# KiCad board heimdall.kicad_pcb
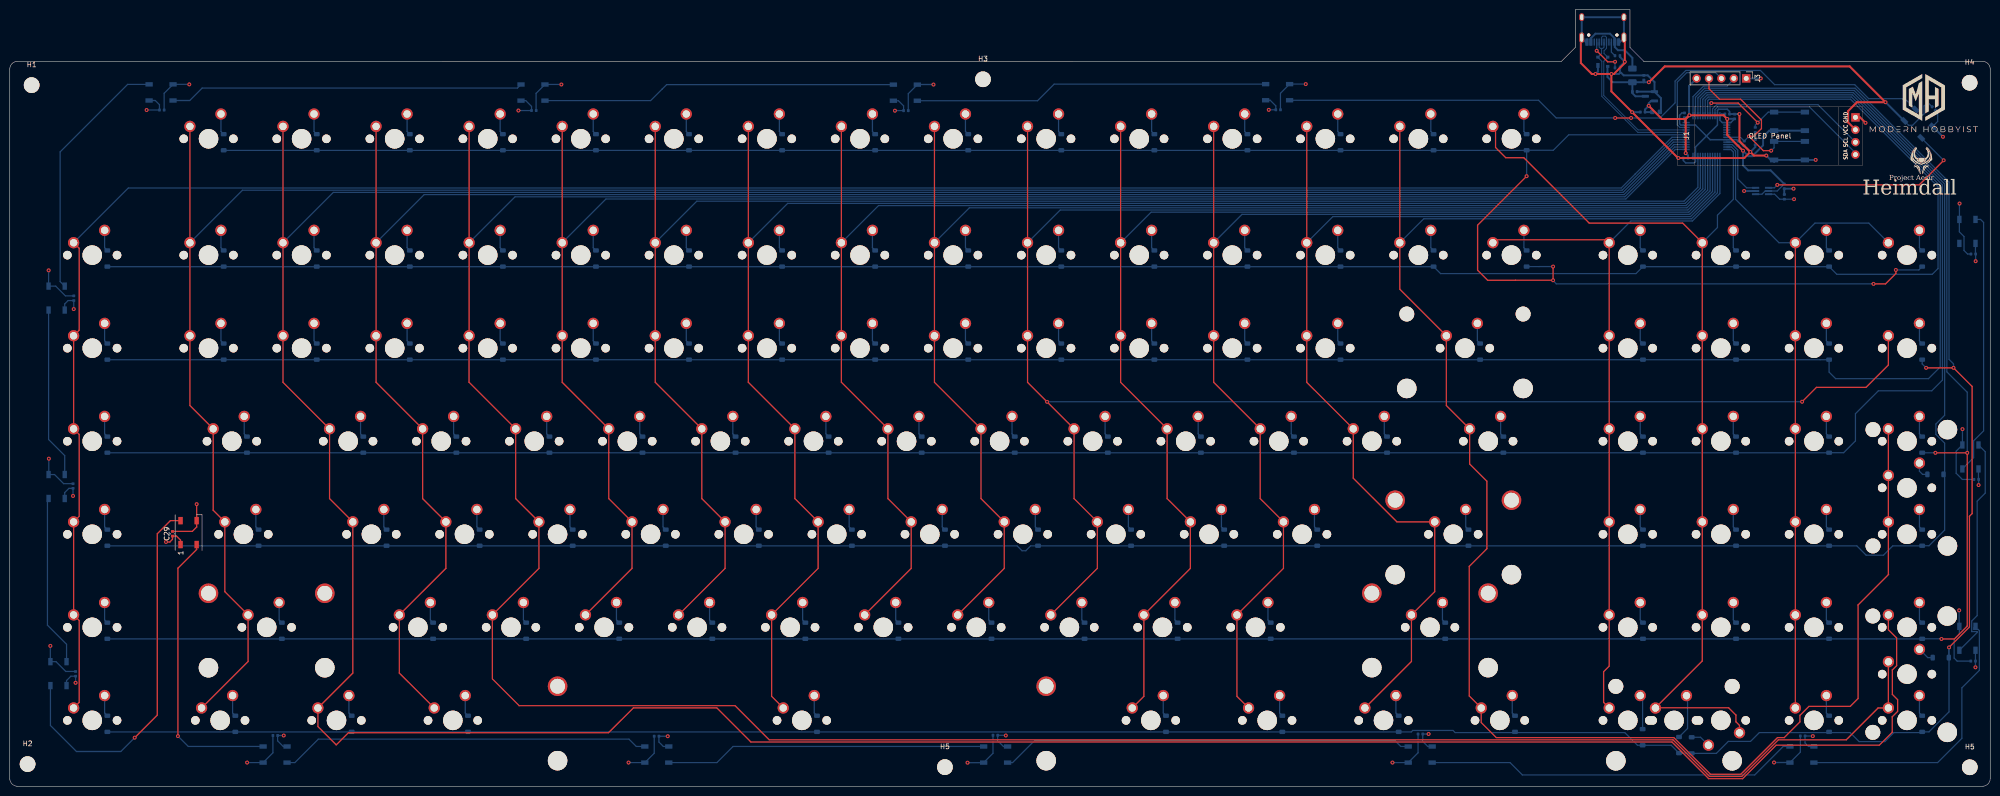
[diagram p0: board, top side]
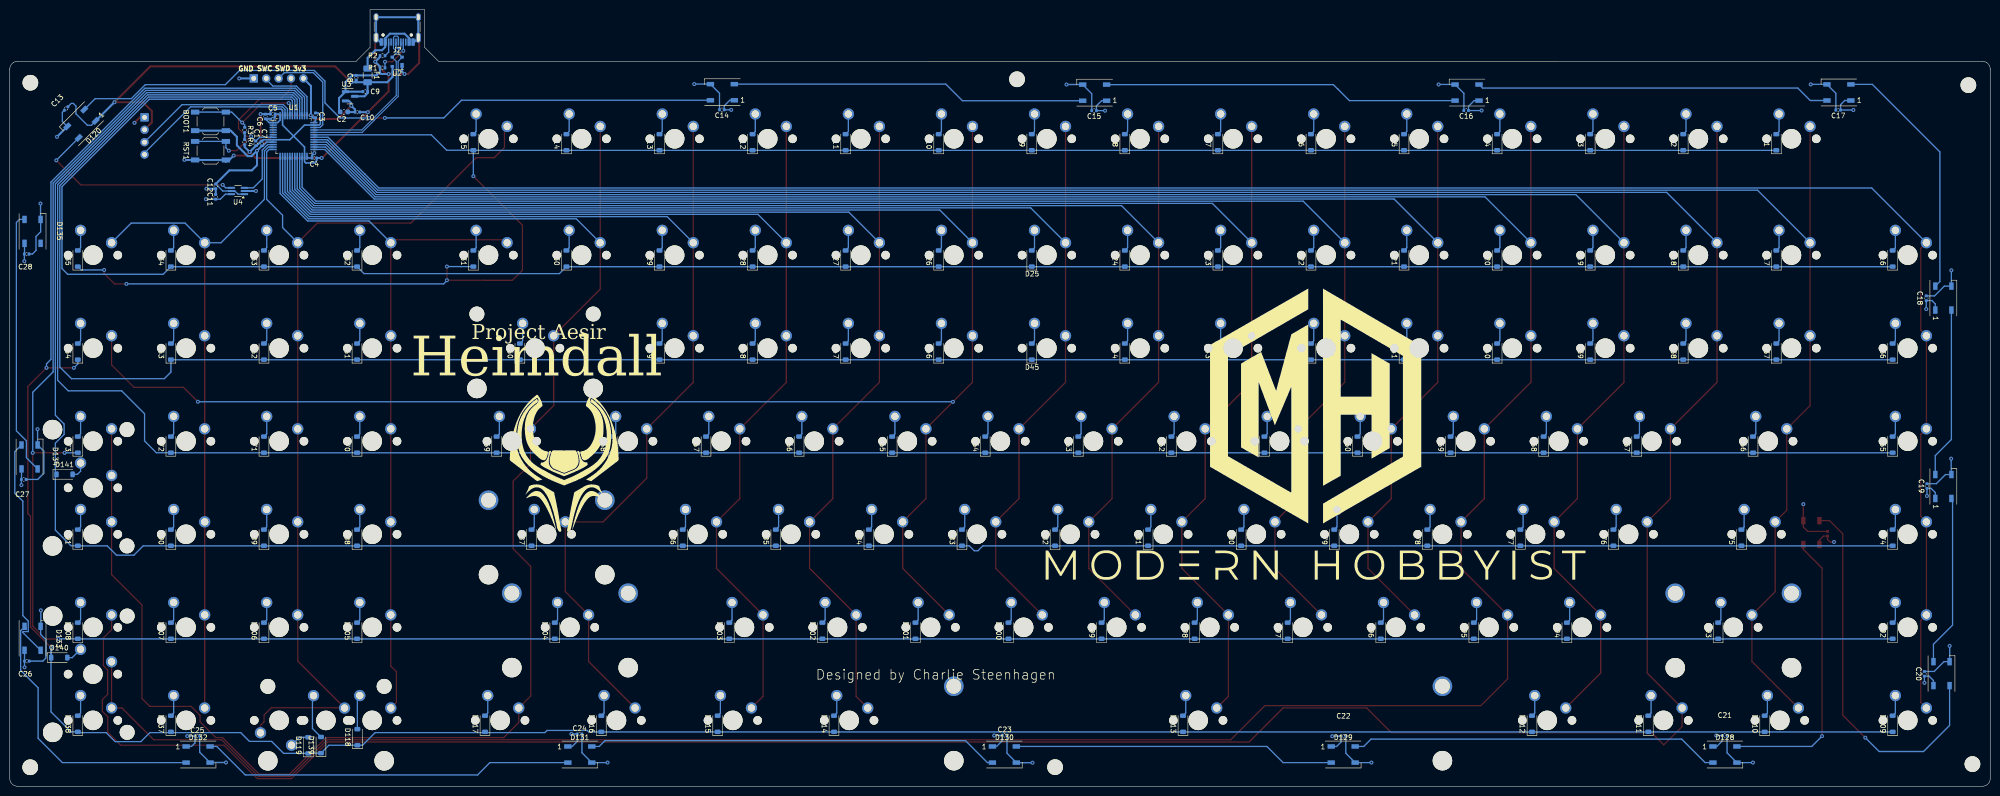
[diagram p1: board, bottom side, seen from below]

Outline 405.38 x 158.96 mm; copper layers: Top, Gnd.Cu, P.Cu, Bottom. Coordinates in mm from the lower left corner of the outline.
Outline path: 0,146.81 0,1.59 arc(0.46,0.46) 1.59,0 403.79,0 arc(404.92,0.46) 405.38,1.59 405.38,146.81 arc(404.92,147.93) 403.79,148.4 334.49,148.4 331.64,151.25 331.64,158.96 320.47,158.96 320.47,151.26 317.62,148.41 1.59,148.4 arc(0.46,147.93) 0,146.81
Stack: Top 0.035mm / dielectric 0.1mm FR4 er 4.5 / Gnd.Cu 0.035mm / dielectric 0.84mm FR4 er 4.5 / P.Cu 0.035mm / dielectric 0.1mm FR4 er 4.5 / Bottom 0.035mm

## Placement (name value [footprint] x y rotation side)
BOOT1  SW_SPST  [SW_SPST_TL3342]  364.29 136.11 0 bottom
C1  100nF  [C_0402_1005Metric]  355.03 131.6 270 bottom
C2  10uF  [C_0603_1608Metric]  336.98 138.05 0 bottom
C3  100nF  [C_0402_1005Metric]  342.79 137.36 90 bottom
C4  100nF  [C_0402_1005Metric]  343.04 128.61 180 bottom
C5  100nF  [C_0402_1005Metric]  351.54 137.61 0 bottom
C6  100nF  [C_0402_1005Metric]  353.04 137.11 90 bottom
C7  100nF  [C_0402_1005Metric]  353.78 131.6 90 bottom
C8  100nF  [C_0402_1005Metric]  334.48 145.05 90 bottom
C9  1uF  [C_0402_1005Metric]  332.6 142.21 0 bottom
C10  1uF  [C_0402_1005Metric]  334.24 138.02 180 bottom
C11  0.1uF  [C_0402_1005Metric]  363.24 120.66 90 bottom
C12  0.1uF  [C_0402_1005Metric]  363.22 122.81 90 bottom
C13  0.1uF  [C_0402_1005Metric]  393.84 138.75 315 bottom
C14  0.1uF  [C_0402_1005Metric]  259.62 138.49 0 bottom
C15  0.1uF  [C_0402_1005Metric]  183.43 138.32 0 bottom
C16  0.1uF  [C_0402_1005Metric]  107.27 138.34 0 bottom
C17  0.1uF  [C_0402_1005Metric]  31.12 138.44 0 bottom
C18  0.1uF  [C_0402_1005Metric]  13.09 99.91 90 bottom
C19  0.1uF  [C_0402_1005Metric]  12.94 61.46 90 bottom
C20  0.1uF  [C_0402_1005Metric]  13.47 23.01 90 bottom
C21  0.1uF  [C_0402_1005Metric]  54.34 10.39 180 bottom
C22  0.1uF  [C_0402_1005Metric]  132.39 10.24 180 bottom
C23  0.1uF  [C_0402_1005Metric]  201.73 10.44 180 bottom
C24  0.1uF  [C_0402_1005Metric]  288.74 10.69 180 bottom
C25  0.1uF  [C_0402_1005Metric]  366.99 10.29 180 bottom
C26  0.1uF  [C_0402_1005Metric]  401.88 25.62 180 bottom
C27  0.1uF  [C_0402_1005Metric]  402.53 62.8 180 bottom
C28  0.1uF  [C_0402_1005Metric]  401.91 108.96 180 bottom
C29  0.1uF  [C_0402_1005Metric]  33.3 51.69 90 top
D1  D  [D_SOD-123]  43.79 131.84 90 bottom
D2  D  [D_SOD-123]  62.84 131.84 90 bottom
D3  D  [D_SOD-123]  81.89 131.84 90 bottom
D4  D  [D_SOD-123]  100.94 131.84 90 bottom
D5  D  [D_SOD-123]  119.99 131.84 90 bottom
D6  D  [D_SOD-123]  139.04 131.84 90 bottom
D7  D  [D_SOD-123]  158.09 131.84 90 bottom
D8  D  [D_SOD-123]  177.14 131.84 90 bottom
D9  D  [D_SOD-123]  196.19 131.84 90 bottom
D10  D  [D_SOD-123]  215.24 131.84 90 bottom
D11  D  [D_SOD-123]  234.29 131.84 90 bottom
D12  D  [D_SOD-123]  253.34 131.84 90 bottom
D13  D  [D_SOD-123]  272.39 131.84 90 bottom
D14  D  [D_SOD-123]  291.44 131.84 90 bottom
D15  D  [D_SOD-123]  310.49 131.84 90 bottom
D16  D  [D_SOD-123]  19.97 108.03 90 bottom
D17  D  [D_SOD-123]  43.79 108.03 90 bottom
D18  D  [D_SOD-123]  62.84 108.03 90 bottom
D19  D  [D_SOD-123]  81.89 108.03 90 bottom
D20  D  [D_SOD-123]  100.94 108.03 90 bottom
D21  D  [D_SOD-123]  119.99 108.03 90 bottom
D22  D  [D_SOD-123]  139.04 108.03 90 bottom
D23  D  [D_SOD-123]  158.09 108.03 90 bottom
D24  D  [D_SOD-123]  177.14 108.03 90 bottom
D25  D  [D_SOD-123]  196.19 108.03 90 bottom
D26  D  [D_SOD-123]  215.24 108.03 90 bottom
D27  D  [D_SOD-123]  234.29 108.03 90 bottom
D28  D  [D_SOD-123]  253.34 108.03 90 bottom
D29  D  [D_SOD-123]  272.39 108.03 90 bottom
D30  D  [D_SOD-123]  291.44 108.03 90 bottom
D31  D  [D_SOD-123]  310.49 108.03 90 bottom
D32  D  [D_SOD-123]  334.3 108.03 90 bottom
D33  D  [D_SOD-123]  353.35 108.03 90 bottom
D34  D  [D_SOD-123]  372.4 108.03 90 bottom
D35  D  [D_SOD-123]  391.45 108.03 90 bottom
D36  D  [D_SOD-123]  19.97 88.98 90 bottom
D37  D  [D_SOD-123]  43.79 88.98 90 bottom
D38  D  [D_SOD-123]  62.84 88.98 90 bottom
D39  D  [D_SOD-123]  81.89 88.98 90 bottom
D40  D  [D_SOD-123]  100.94 88.98 90 bottom
D41  D  [D_SOD-123]  119.99 88.98 90 bottom
D42  D  [D_SOD-123]  139.04 88.98 90 bottom
D43  D  [D_SOD-123]  158.09 88.98 90 bottom
D44  D  [D_SOD-123]  177.14 88.98 90 bottom
D45  D  [D_SOD-123]  196.19 88.98 90 bottom
D46  D  [D_SOD-123]  215.24 88.98 90 bottom
D47  D  [D_SOD-123]  234.29 88.98 90 bottom
D48  D  [D_SOD-123]  253.34 88.98 90 bottom
D49  D  [D_SOD-123]  272.39 88.98 90 bottom
D50  D  [D_SOD-123]  300.96 88.98 90 bottom
D51  D  [D_SOD-123]  334.3 88.98 90 bottom
D52  D  [D_SOD-123]  353.35 88.98 90 bottom
D53  D  [D_SOD-123]  372.4 88.98 90 bottom
D54  D  [D_SOD-123]  391.45 88.98 90 bottom
D55  D  [D_SOD-123]  19.97 69.93 90 bottom
D56  D  [D_SOD-123]  48.55 69.93 90 bottom
D57  D  [D_SOD-123]  72.36 69.93 90 bottom
D58  D  [D_SOD-123]  91.41 69.93 90 bottom
D59  D  [D_SOD-123]  110.46 69.93 90 bottom
D60  D  [D_SOD-123]  129.51 69.93 90 bottom
D61  D  [D_SOD-123]  148.56 69.93 90 bottom
D62  D  [D_SOD-123]  167.61 69.93 90 bottom
D63  D  [D_SOD-123]  186.66 69.93 90 bottom
D64  D  [D_SOD-123]  205.71 69.93 90 bottom
D65  D  [D_SOD-123]  224.76 69.93 90 bottom
D66  D  [D_SOD-123]  243.81 69.93 90 bottom
D67  D  [D_SOD-123]  262.86 69.93 90 bottom
D68  D  [D_SOD-123]  281.91 69.93 90 bottom
D69  D  [D_SOD-123]  305.72 69.93 90 bottom
D70  D  [D_SOD-123]  334.3 69.93 90 bottom
D71  D  [D_SOD-123]  353.35 69.93 90 bottom
D72  D  [D_SOD-123]  372.4 69.93 90 bottom
D73  D  [D_SOD-123]  391.45 69.93 90 bottom
D74  D  [D_SOD-123]  19.97 50.88 90 bottom
D75  D  [D_SOD-123]  50.93 50.88 90 bottom
D76  D  [D_SOD-123]  77.12 50.88 90 bottom
D77  D  [D_SOD-123]  96.17 50.88 90 bottom
D78  D  [D_SOD-123]  115.22 50.88 90 bottom
D79  D  [D_SOD-123]  134.27 50.88 90 bottom
D80  D  [D_SOD-123]  153.32 50.88 90 bottom
D81  D  [D_SOD-123]  172.37 50.88 90 bottom
D82  D  [D_SOD-123]  191.42 50.88 90 bottom
D83  D  [D_SOD-123]  210.47 50.88 90 bottom
D84  D  [D_SOD-123]  229.52 50.88 90 bottom
D85  D  [D_SOD-123]  248.57 50.88 90 bottom
D86  D  [D_SOD-123]  267.62 50.88 90 bottom
D87  D  [D_SOD-123]  298.58 50.88 90 bottom
D88  D  [D_SOD-123]  334.3 50.88 90 bottom
D89  D  [D_SOD-123]  353.35 50.88 90 bottom
D90  D  [D_SOD-123]  372.4 50.88 90 bottom
D91  D  [D_SOD-123]  391.45 50.88 90 bottom
D92  D  [D_SOD-123]  19.97 31.83 90 bottom
D93  D  [D_SOD-123]  55.69 31.83 90 bottom
D94  D  [D_SOD-123]  86.65 31.83 90 bottom
D95  D  [D_SOD-123]  105.7 31.83 90 bottom
D96  D  [D_SOD-123]  124.75 31.83 90 bottom
D97  D  [D_SOD-123]  143.8 31.83 90 bottom
D98  D  [D_SOD-123]  162.85 31.83 90 bottom
D99  D  [D_SOD-123]  181.9 31.83 90 bottom
D100  D  [D_SOD-123]  200.95 31.83 90 bottom
D101  D  [D_SOD-123]  220 31.83 90 bottom
D102  D  [D_SOD-123]  239.05 31.83 90 bottom
D103  D  [D_SOD-123]  258.1 31.83 90 bottom
D104  D  [D_SOD-123]  293.82 31.83 90 bottom
D105  D  [D_SOD-123]  334.3 31.83 90 bottom
D106  D  [D_SOD-123]  353.35 31.83 90 bottom
D107  D  [D_SOD-123]  372.4 31.83 90 bottom
D108  D  [D_SOD-123]  391.45 31.83 90 bottom
D109  D  [D_SOD-123]  19.97 12.78 90 bottom
D110  D  [D_SOD-123]  46.17 12.78 90 bottom
D111  D  [D_SOD-123]  69.98 12.78 90 bottom
D112  D  [D_SOD-123]  93.79 12.78 90 bottom
D113  D  [D_SOD-123]  165.23 12.78 90 bottom
D114  D  [D_SOD-123]  236.67 12.78 90 bottom
D115  D  [D_SOD-123]  260.48 12.78 90 bottom
D116  D  [D_SOD-123]  284.29 12.78 90 bottom
D117  D  [D_SOD-123]  308.11 12.78 90 bottom
D118  D  [D_SOD-123]  334.23 10.04 90 bottom
D119  D  [D_SOD-123]  344.27 8.38 90 bottom
D120  WS2812B  [LED_WS2812B_PLCC4_5.0x5.0mm_P3.2mm]  390.69 135.64 315 bottom
D121  WS2812B  [LED_WS2812B_PLCC4_5.0x5.0mm_P3.2mm]  259.51 142.09 0 bottom
D122  WS2812B  [LED_WS2812B_PLCC4_5.0x5.0mm_P3.2mm]  183.32 141.99 0 bottom
D123  WS2812B  [LED_WS2812B_PLCC4_5.0x5.0mm_P3.2mm]  107.09 142.01 0 bottom
D124  WS2812B  [LED_WS2812B_PLCC4_5.0x5.0mm_P3.2mm]  30.97 142.04 0 bottom
D125  WS2812B  [LED_WS2812B_PLCC4_5.0x5.0mm_P3.2mm]  9.59 99.94 90 bottom
D126  WS2812B  [LED_WS2812B_PLCC4_5.0x5.0mm_P3.2mm]  9.59 61.36 90 bottom
D127  WS2812B  [LED_WS2812B_PLCC4_5.0x5.0mm_P3.2mm]  9.97 23.06 90 bottom
D128  WS2812B  [LED_WS2812B_PLCC4_5.0x5.0mm_P3.2mm]  54.31 6.49 180 bottom
D129  WS2812B  [LED_WS2812B_PLCC4_5.0x5.0mm_P3.2mm]  132.44 6.49 180 bottom
D130  WS2812B  [LED_WS2812B_PLCC4_5.0x5.0mm_P3.2mm]  201.79 6.49 180 bottom
D131  WS2812B  [LED_WS2812B_PLCC4_5.0x5.0mm_P3.2mm]  288.7 6.49 180 bottom
D132  WS2812B  [LED_WS2812B_PLCC4_5.0x5.0mm_P3.2mm]  366.83 6.49 180 bottom
D133  WS2812B  [LED_WS2812B_PLCC4_5.0x5.0mm_P3.2mm]  400.71 30.29 90 bottom
D134  WS2812B  [LED_WS2812B_PLCC4_5.0x5.0mm_P3.2mm]  401.33 67.41 90 bottom
D135  WS2812B  [LED_WS2812B_PLCC4_5.0x5.0mm_P3.2mm]  400.71 113.59 90 bottom
D136  WS2812B  [LED_WS2812B_PLCC4_5.0x5.0mm_P3.2mm]  36.6 51.93 90 top
D137  D  [D_SOD-123]  372.4 12.78 90 bottom
D138  D  [D_SOD-123]  391.45 12.78 90 bottom
D139  D  [D_SOD-123]  341.68 8.43 90 bottom
D140  D  [D_SOD-123]  395.26 26.33 180 bottom
D141  D  [D_SOD-123]  394.17 63.85 180 bottom
F1  500mA  [Fuse_1206_3216Metric]  332.13 145.53 270 bottom
H1  MountingHole_Pad  [MountingHole_3.2mm_M3]  4.48 143.53 0 top
H2  MountingHole_Pad  [MountingHole_3.2mm_M3]  3.65 4.53 0 top
H3  MountingHole_Pad  [MountingHole_3.2mm_M3]  199.21 144.73 0 top
H4  MountingHole_Pad  [MountingHole_3.2mm_M3]  401.17 144.02 0 top
H5  MountingHole_Pad  [MountingHole_3.2mm_M3]  401.2 3.88 0 top
H5#2  MountingHole_Pad  [MountingHole_3.2mm_M3]  191.42 3.91 0 top
J1  Conn_01x04  [SSD1306-0.91-OLED-4pin-128x32]  341.29 139.13 0 top
J2  USB_C_Receptacle_USB2.0  [USB_C_Receptacle_HRO_TYPE-C-31-M-12]  326.08 156.4 0 bottom
J3  Conn_01x05  [PinHeader_1x05_P2.54mm_Vertical]  355.43 144.91 270 top
MX1  MX_SW_solder  [SW_MX_1u]  40.69 132.54 0 top
MX2  MX_SW_solder  [SW_MX_1u]  59.74 132.54 0 top
MX3  MX_SW_solder  [SW_MX_1u]  78.79 132.54 0 top
MX4  MX_SW_solder  [SW_MX_1u]  97.84 132.54 0 top
MX5  MX_SW_solder  [SW_MX_1u]  116.89 132.54 0 top
MX6  MX_SW_solder  [SW_MX_1u]  135.94 132.54 0 top
MX7  MX_SW_solder  [SW_MX_1u]  154.99 132.54 0 top
MX8  MX_SW_solder  [SW_MX_1u]  174.04 132.54 0 top
MX9  MX_SW_solder  [SW_MX_1u]  193.09 132.54 0 top
MX10  MX_SW_solder  [SW_MX_1u]  212.14 132.54 0 top
MX11  MX_SW_solder  [SW_MX_1u]  231.19 132.54 0 top
MX12  MX_SW_solder  [SW_MX_1u]  250.24 132.54 0 top
MX13  MX_SW_solder  [SW_MX_1u]  269.29 132.54 0 top
MX14  MX_SW_solder  [SW_MX_1u]  288.34 132.54 0 top
MX15  MX_SW_solder  [SW_MX_1u]  307.39 132.54 0 top
MX16  MX_SW_solder  [SW_MX_1u]  16.87 108.73 0 top
MX17  MX_SW_solder  [SW_MX_1u]  40.69 108.73 0 top
MX18  MX_SW_solder  [SW_MX_1u]  59.74 108.73 0 top
MX19  MX_SW_solder  [SW_MX_1u]  78.79 108.73 0 top
MX20  MX_SW_solder  [SW_MX_1u]  97.84 108.73 0 top
MX21  MX_SW_solder  [SW_MX_1u]  116.89 108.73 0 top
MX22  MX_SW_solder  [SW_MX_1u]  135.94 108.73 0 top
MX23  MX_SW_solder  [SW_MX_1u]  154.99 108.73 0 top
MX24  MX_SW_solder  [SW_MX_1u]  174.04 108.73 0 top
MX25  MX_SW_solder  [SW_MX_1u]  193.09 108.73 0 top
MX26  MX_SW_solder  [SW_MX_1u]  212.14 108.73 0 top
MX27  MX_SW_solder  [SW_MX_1u]  231.19 108.73 0 top
MX28  MX_SW_solder  [SW_MX_1u]  250.24 108.73 0 top
MX29  MX_SW_solder  [SW_MX_1u]  269.29 108.73 0 top
MX30  MX_SW_solder  [SW_MX_1u]  288.34 108.73 0 top
MX31  MX_SW_solder  [SW_MX_1u]  307.39 108.73 0 top
MX32  MX_SW_solder  [SW_MX_1u]  331.2 108.73 0 top
MX33  MX_SW_solder  [SW_MX_1u]  350.25 108.73 0 top
MX34  MX_SW_solder  [SW_MX_1u]  369.3 108.73 0 top
MX35  MX_SW_solder  [SW_MX_1u]  388.35 108.73 0 top
MX36  MX_SW_solder  [SW_MX_1u]  16.87 89.68 0 top
MX37  MX_SW_solder  [SW_MX_1u]  40.69 89.68 0 top
MX38  MX_SW_solder  [SW_MX_1u]  59.74 89.68 0 top
MX39  MX_SW_solder  [SW_MX_1u]  78.79 89.68 0 top
MX40  MX_SW_solder  [SW_MX_1u]  97.84 89.68 0 top
MX41  MX_SW_solder  [SW_MX_1u]  116.89 89.68 0 top
MX42  MX_SW_solder  [SW_MX_1u]  135.94 89.68 0 top
MX43  MX_SW_solder  [SW_MX_1u]  154.99 89.68 0 top
MX44  MX_SW_solder  [SW_MX_1u]  174.04 89.68 0 top
MX45  MX_SW_solder  [SW_MX_1u]  193.09 89.68 0 top
MX46  MX_SW_solder  [SW_MX_1u]  212.14 89.68 0 top
MX47  MX_SW_solder  [SW_MX_1u]  231.19 89.68 0 top
MX48  MX_SW_solder  [SW_MX_1u]  250.24 89.68 0 top
MX49  MX_SW_solder  [SW_MX_1u]  269.29 89.68 0 top
MX50  MX_SW_solder  [SW_MX_1u]  297.86 89.68 0 top
MX51  MX_SW_solder  [SW_MX_1u]  331.2 89.68 0 top
MX52  MX_SW_solder  [SW_MX_1u]  350.25 89.68 0 top
MX53  MX_SW_solder  [SW_MX_1u]  369.3 89.68 0 top
MX54  MX_SW_solder  [SW_MX_1u]  388.35 89.68 0 top
MX55  MX_SW_solder  [SW_MX_1u]  16.87 70.63 0 top
MX56  MX_SW_solder  [SW_MX_1u]  45.45 70.63 0 top
MX57  MX_SW_solder  [SW_MX_1u]  69.26 70.63 0 top
MX58  MX_SW_solder  [SW_MX_1u]  88.31 70.63 0 top
MX59  MX_SW_solder  [SW_MX_1u]  107.36 70.63 0 top
MX60  MX_SW_solder  [SW_MX_1u]  126.41 70.63 0 top
MX61  MX_SW_solder  [SW_MX_1u]  145.46 70.63 0 top
MX62  MX_SW_solder  [SW_MX_1u]  164.51 70.63 0 top
MX63  MX_SW_solder  [SW_MX_1u]  183.56 70.63 0 top
MX64  MX_SW_solder  [SW_MX_1u]  202.61 70.63 0 top
MX65  MX_SW_solder  [SW_MX_1u]  221.66 70.63 0 top
MX66  MX_SW_solder  [SW_MX_1u]  240.71 70.63 0 top
MX67  MX_SW_solder  [SW_MX_1u]  259.76 70.63 0 top
MX68  MX_SW_solder  [SW_MX_1u]  278.81 70.63 0 top
MX69  MX_SW_solder  [SW_MX_1u]  302.62 70.63 0 top
MX70  MX_SW_solder  [SW_MX_1u]  331.2 70.63 0 top
MX71  MX_SW_solder  [SW_MX_1u]  350.25 70.63 0 top
MX72  MX_SW_solder  [SW_MX_1u]  369.3 70.63 0 top
MX73  MX_SW_solder  [SW_MX_1u]  388.35 70.63 0 top
MX74  MX_SW_solder  [SW_MX_1u]  16.87 51.58 0 top
MX75  MX_SW_solder  [SW_MX_1u]  47.83 51.58 0 top
MX76  MX_SW_solder  [SW_MX_1u]  74.02 51.58 0 top
MX77  MX_SW_solder  [SW_MX_1u]  93.07 51.58 0 top
MX78  MX_SW_solder  [SW_MX_1u]  112.12 51.58 0 top
MX79  MX_SW_solder  [SW_MX_1u]  131.17 51.58 0 top
MX80  MX_SW_solder  [SW_MX_1u]  150.22 51.58 0 top
MX81  MX_SW_solder  [SW_MX_1u]  169.27 51.58 0 top
MX82  MX_SW_solder  [SW_MX_1u]  188.32 51.58 0 top
MX83  MX_SW_solder  [SW_MX_1u]  207.37 51.58 0 top
MX84  MX_SW_solder  [SW_MX_1u]  226.42 51.58 0 top
MX85  MX_SW_solder  [SW_MX_1u]  245.47 51.58 0 top
MX86  MX_SW_solder  [SW_MX_1u]  264.52 51.58 0 top
MX87  MX_SW_solder  [SW_MX_1u]  295.48 51.58 0 top
MX88  MX_SW_solder  [SW_MX_1u]  331.2 51.58 0 top
MX89  MX_SW_solder  [SW_MX_1u]  350.25 51.58 0 top
MX90  MX_SW_solder  [SW_MX_1u]  369.3 51.58 0 top
MX91  MX_SW_solder  [SW_MX_1u]  388.35 51.58 0 top
MX92  MX_SW_solder  [SW_MX_1u]  16.87 32.53 0 top
MX93  MX_SW_solder  [SW_MX_1u]  52.59 32.53 0 top
MX94  MX_SW_solder  [SW_MX_1u]  83.55 32.53 0 top
MX95  MX_SW_solder  [SW_MX_1u]  102.6 32.53 0 top
MX96  MX_SW_solder  [SW_MX_1u]  121.65 32.53 0 top
MX97  MX_SW_solder  [SW_MX_1u]  140.7 32.53 0 top
MX98  MX_SW_solder  [SW_MX_1u]  159.75 32.53 0 top
MX99  MX_SW_solder  [SW_MX_1u]  178.8 32.53 0 top
MX100  MX_SW_solder  [SW_MX_1u]  197.85 32.53 0 top
MX101  MX_SW_solder  [SW_MX_1u]  216.9 32.53 0 top
MX102  MX_SW_solder  [SW_MX_1u]  235.95 32.53 0 top
MX103  MX_SW_solder  [SW_MX_1u]  255 32.53 0 top
MX104  MX_SW_solder  [SW_MX_1u]  290.72 32.53 0 top
MX105  MX_SW_solder  [SW_MX_1u]  331.2 32.53 0 top
MX106  MX_SW_solder  [SW_MX_1u]  350.25 32.53 0 top
MX107  MX_SW_solder  [SW_MX_1u]  369.3 32.53 0 top
MX108  MX_SW_solder  [SW_MX_1u]  388.35 32.53 0 top
MX109  MX_SW_solder  [SW_MX_1u]  16.87 13.48 0 top
MX110  MX_SW_solder  [SW_MX_1u]  43.07 13.48 0 top
MX111  MX_SW_solder  [SW_MX_1u]  66.88 13.48 0 top
MX112  MX_SW_solder  [SW_MX_1u]  90.69 13.48 0 top
MX113  MX_SW_solder  [SW_MX_1u]  162.13 13.48 0 top
MX114  MX_SW_solder  [SW_MX_1u]  233.57 13.48 0 top
MX115  MX_SW_solder  [SW_MX_1u]  257.38 13.48 0 top
MX116  MX_SW_solder  [SW_MX_1u]  281.19 13.48 0 top
MX117  MX_SW_solder  [SW_MX_1u]  305.01 13.48 0 top
MX118  MX_SW_solder  [SW_MX_1u]  331.2 13.48 0 top
MX119  MX_SW_solder  [SW_MX_1u]  350.25 13.48 180 top
MX120  MX_SW_solder  [SW_MX_1u]  369.3 13.48 0 top
MX121  MX_SW_solder  [SW_MX_1u]  388.35 13.48 0 top
MX122  MX_SW_solder  [SW_MX_1u]  340.67 13.47 0 top
MX123  MX_SW_solder  [SW_MX_1u]  388.36 22.95 0 top
MX124  MX_SW_solder  [SW_MX_1u]  388.35 61.09 0 top
R1  5.1k  [R_0402_1005Metric]  329.08 147.06 180 bottom
R2  5.1k  [R_0402_1005Metric]  329.08 149.56 0 bottom
R3  5.1k  [R_0402_1005Metric]  357.29 134.36 270 bottom
R4  5.1k  [R_0402_1005Metric]  357.29 131.86 270 bottom
RST1  SW_SPST  [SW_SPST_TL3342]  364.29 130.11 180 bottom
S1  MX_stab  [STAB_MX_2u]  297.86 89.69 0 top
S2  MX_stab  [STAB_MX_P_2.25u]  295.48 51.57 0 top
S3  MX_stab  [STAB_MX_P_2.75u]  290.71 32.54 0 top
S4  MX_stab  [STAB_MX_P_2.25u]  52.58 32.52 0 top
S5  MX_stab  [STAB_MX_P_6.25u]  162.14 13.48 0 top
S6  MX_stab  [STAB_MX_2u]  340.65 13.46 0 top
S7  MX_stab  [STAB_MX_2u]  388.34 22.94 90 top
S8  MX_stab  [STAB_MX_2u]  388.37 61.1 90 top
U1  STM32F072CBT6  [LQFP-48_7x7mm_P0.5mm]  347.29 133.11 180 bottom
U2  PRTR5V0U2X  [SOT-143]  326.08 148.31 0 bottom
U3  XC6206PxxxMR-Regulator_Linear  [SOT-23]  335.72 141.25 180 bottom
U4  TXB0101  [SOT-363_SC-70-6_Handsoldering]  358.68 121.86 0 bottom

## Library data of the parts
C1-C12 = -: LCSC: C307331; ki_fp_filters: C_*
C13-C29 = -: Description: Unpolarized capacitor; ki_fp_filters: C_*
D1-D119 D137-D141 = -: Description: Diode; Sim.Pins: 1=K 2=A; ki_fp_filters: TO-???* *_Diode_* *SingleDiode* D_*
D120-D136 = -: Datasheet: https://cdn-shop.adafruit.com/datasheets/WS2812B.pdf; Description: RGB LED with integrated controller; ki_fp_filters: LED*WS2812*PLCC*5.0x5.0mm*P3.2mm*
F1 = -: LCSC: C135341; ki_fp_filters: *polyfuse* *PTC*
H1-H5 = -: Description: Mounting Hole with connection; ki_fp_filters: MountingHole*Pad*
H5#2 = -: Description: Mounting Hole with connection
J1 = -: Description: Generic connector, single row, 01x04, script generated (kicad-library-utils/schlib/autogen/connector/); ki_fp_filters: Connector*:*_1x??_*
J2 = -: Datasheet: https://www.usb.org/sites/default/files/documents/usb_type-c.zip; JlcRotOffset: 180; JlcPosOffset: 0,1.5; ki_fp_filters: USB*C*Receptacle*
J3 = -: Description: Generic connector, single row, 01x05, script generated (kicad-library-utils/schlib/autogen/connector/); ki_fp_filters: Connector*:*_1x??_*
MX1-MX124 = -: Description: Push button switch, normally open, two pins, 45° tilted
R1-R4 = -: ki_fp_filters: R_*
S1-S8 = -: Description: Cherry MX-style stabilizer
U1 = -: Datasheet: https://www.st.com/resource/en/datasheet/stm32f072cb.pdf; JlcRotOffset: 90; ki_fp_filters: LQFP*7x7mm*P0.5mm*
U2 = -: Datasheet: https://assets.nexperia.com/documents/data-sheet/PRTR5V0U2X.pdf; JlcRotOffset: 90; LCSC: C2827688; ki_fp_filters: SOT?143*
U3 = -: Datasheet: https://www.torexsemi.com/file/xc6206/XC6206.pdf; LCSC: C5446; ki_fp_filters: SOT?23*
U4 = -: Datasheet: https://datasheet.lcsc.com/szlcsc/Texas-Instruments-TI-TXB0101DCKR_C324081.pdf; Description: 1-Bit Bidirectional Voltage-Level Translator; LCSC: C324081; ki_fp_filters: TSSOP*P0.65mm*

## Footprints (pads in the part's own frame, mm; a bottom-side part is the same pattern mirrored in y, then rotated)
C_0402_1005Metric
  rrect 0.56x0.62 smd: 1(-0.48,0) 2(0.48,0)
C_0603_1608Metric
  rrect 0.9x0.95 smd: 1(-0.775,0) 2(0.775,0)
D_SOD-123
  rrect 0.9x1.2 smd: 1(-1.65,0) 2(1.65,0)
Fuse_1206_3216Metric
  rrect 1.25x1.75 smd: 1(-1.4,0) 2(1.4,0)
LED_WS2812B_PLCC4_5.0x5.0mm_P3.2mm
  rect 1.5x0.9 smd: 1(-2.45,1.65) 2(-2.45,-1.65) 3(2.45,-1.65) 4(2.45,1.65)
LQFP-48_7x7mm_P0.5mm
  rrect 1.475x0.3 smd: 1(-4.162,2.75) 2(-4.162,2.25) 3(-4.162,1.75) 4(-4.162,1.25) 5(-4.162,0.75) 6(-4.162,0.25) 7(-4.162,-0.25) 8(-4.162,-0.75) 9(-4.162,-1.25) 10(-4.162,-1.75) 11(-4.162,-2.25) 12(-4.162,-2.75) 25(4.162,-2.75) 26(4.162,-2.25) 27(4.162,-1.75) 28(4.162,-1.25) 29(4.162,-0.75) 30(4.162,-0.25) 31(4.162,0.25) 32(4.162,0.75) 33(4.162,1.25) 34(4.162,1.75) 35(4.162,2.25) 36(4.162,2.75)
  rrect 0.3x1.475 smd: 13(-2.75,-4.162) 14(-2.25,-4.162) 15(-1.75,-4.162) 16(-1.25,-4.162) 17(-0.75,-4.162) 18(-0.25,-4.162) 19(0.25,-4.162) 20(0.75,-4.162) 21(1.25,-4.162) 22(1.75,-4.162) 23(2.25,-4.162) 24(2.75,-4.162) 37(2.75,4.162) 38(2.25,4.162) 39(1.75,4.162) 40(1.25,4.162) 41(0.75,4.162) 42(0.25,4.162) 43(-0.25,4.162) 44(-0.75,4.162) 45(-1.25,4.162) 46(-1.75,4.162) 47(-2.25,4.162) 48(-2.75,4.162)
MountingHole_3.2mm_M3
  round 3.2 hole 3.2 unplated: (0,0)
PinHeader_1x05_P2.54mm_Vertical
  rect 1.7x1.7 hole 1: 1(0,0)
  oval 1.7x1.7 hole 1: 2(0,-2.54) 3(0,-5.08) 4(0,-7.62) 5(0,-10.16)
R_0402_1005Metric
  rrect 0.54x0.64 smd: 1(-0.51,0) 2(0.51,0)
SOT-23
  rrect 1.475x0.6 smd: 1(-0.938,0.95) 2(-0.938,-0.95) 3(0.938,0)
SOT-143
  rect 0.7x1 smd: 1(-1,0.75)
  rect 0.7x0.6 smd: 2(-1,-0.95) 3(1,-0.95) 4(1,0.95)
SOT-363_SC-70-6_Handsoldering
  rrect 1.5x0.4 smd: 1(-1.33,0.65) 2(-1.33,0) 3(-1.33,-0.65) 4(1.33,-0.65) 5(1.33,0) 6(1.33,0.65)
SSD1306-0.91-OLED-4pin-128x32
  rect 1.7x1.7 hole 1: 1(36.5,-2.19)
  oval 1.7x1.7 hole 1: 2(36.5,-4.73) 3(36.5,-7.27) 4(36.5,-9.81)
STAB_MX_2u
  round 3.048 hole 3.048 unplated: (-11.906,6.985) (11.906,6.985)
  round 3.988 hole 3.988 unplated: (-11.906,-8.255) (11.906,-8.255)
STAB_MX_P_2.25u
  round 4 hole 3.048: (-11.906,6.985) (11.906,6.985)
  round 3.988 hole 3.988 unplated: (-11.906,-8.255) (11.906,-8.255)
STAB_MX_P_2.75u
  round 4 hole 3.048: (-11.906,6.985) (11.906,6.985)
  round 3.988 hole 3.988 unplated: (-11.906,-8.255) (11.906,-8.255)
STAB_MX_P_6.25u
  round 4 hole 3.048: (-50.006,6.985) (50.006,6.985)
  round 3.988 hole 3.988 unplated: (-50.006,-8.255) (50.006,-8.255)
SW_MX_1u
  round 1.75 hole 1.75 unplated: (-5.08,0) (5.08,0)
  round 3.988 hole 3.988 unplated: (0,0)
  round 2.3 hole 1.524: 1(-3.81,2.54) 2(2.54,5.08)
SW_SPST_TL3342
  rect 1.7x1 smd: 1(-3.15,1.9) 1(3.15,1.9) 2(-3.15,-1.9) 2(3.15,-1.9)
USB_C_Receptacle_HRO_TYPE-C-31-M-12
  round 0.65 hole 0.65 unplated: (-2.89,2.6) (2.89,2.6)
  rect 0.6x1.45 smd: A1(-3.25,4.045) A4(-2.45,4.045) A9(2.45,4.045) A12(3.25,4.045) B1(3.25,4.045) B4(2.45,4.045) B9(-2.45,4.045) B12(-3.25,4.045)
  rect 0.3x1.45 smd: A5(-1.25,4.045) A6(-0.25,4.045) A7(0.25,4.045) A8(1.25,4.045) B5(1.75,4.045) B6(0.75,4.045) B7(-0.75,4.045) B8(-1.75,4.045)